# Altium PCB POETIC_Processor_V2.PcbDoc (part 3 of 4)
Units mm, origin at the board's own origin, x right, y up, seen from the top; angles counter-clockwise.
Board outline 210 x 100 mm, 4 copper layers (Top Layer, VCC, GND, Bottom Layer), stack 1.64 mm thick; 405 components, 395 nets, 1590 pads, 394 vias.
Unrouted connection lines stored in the file: 21.
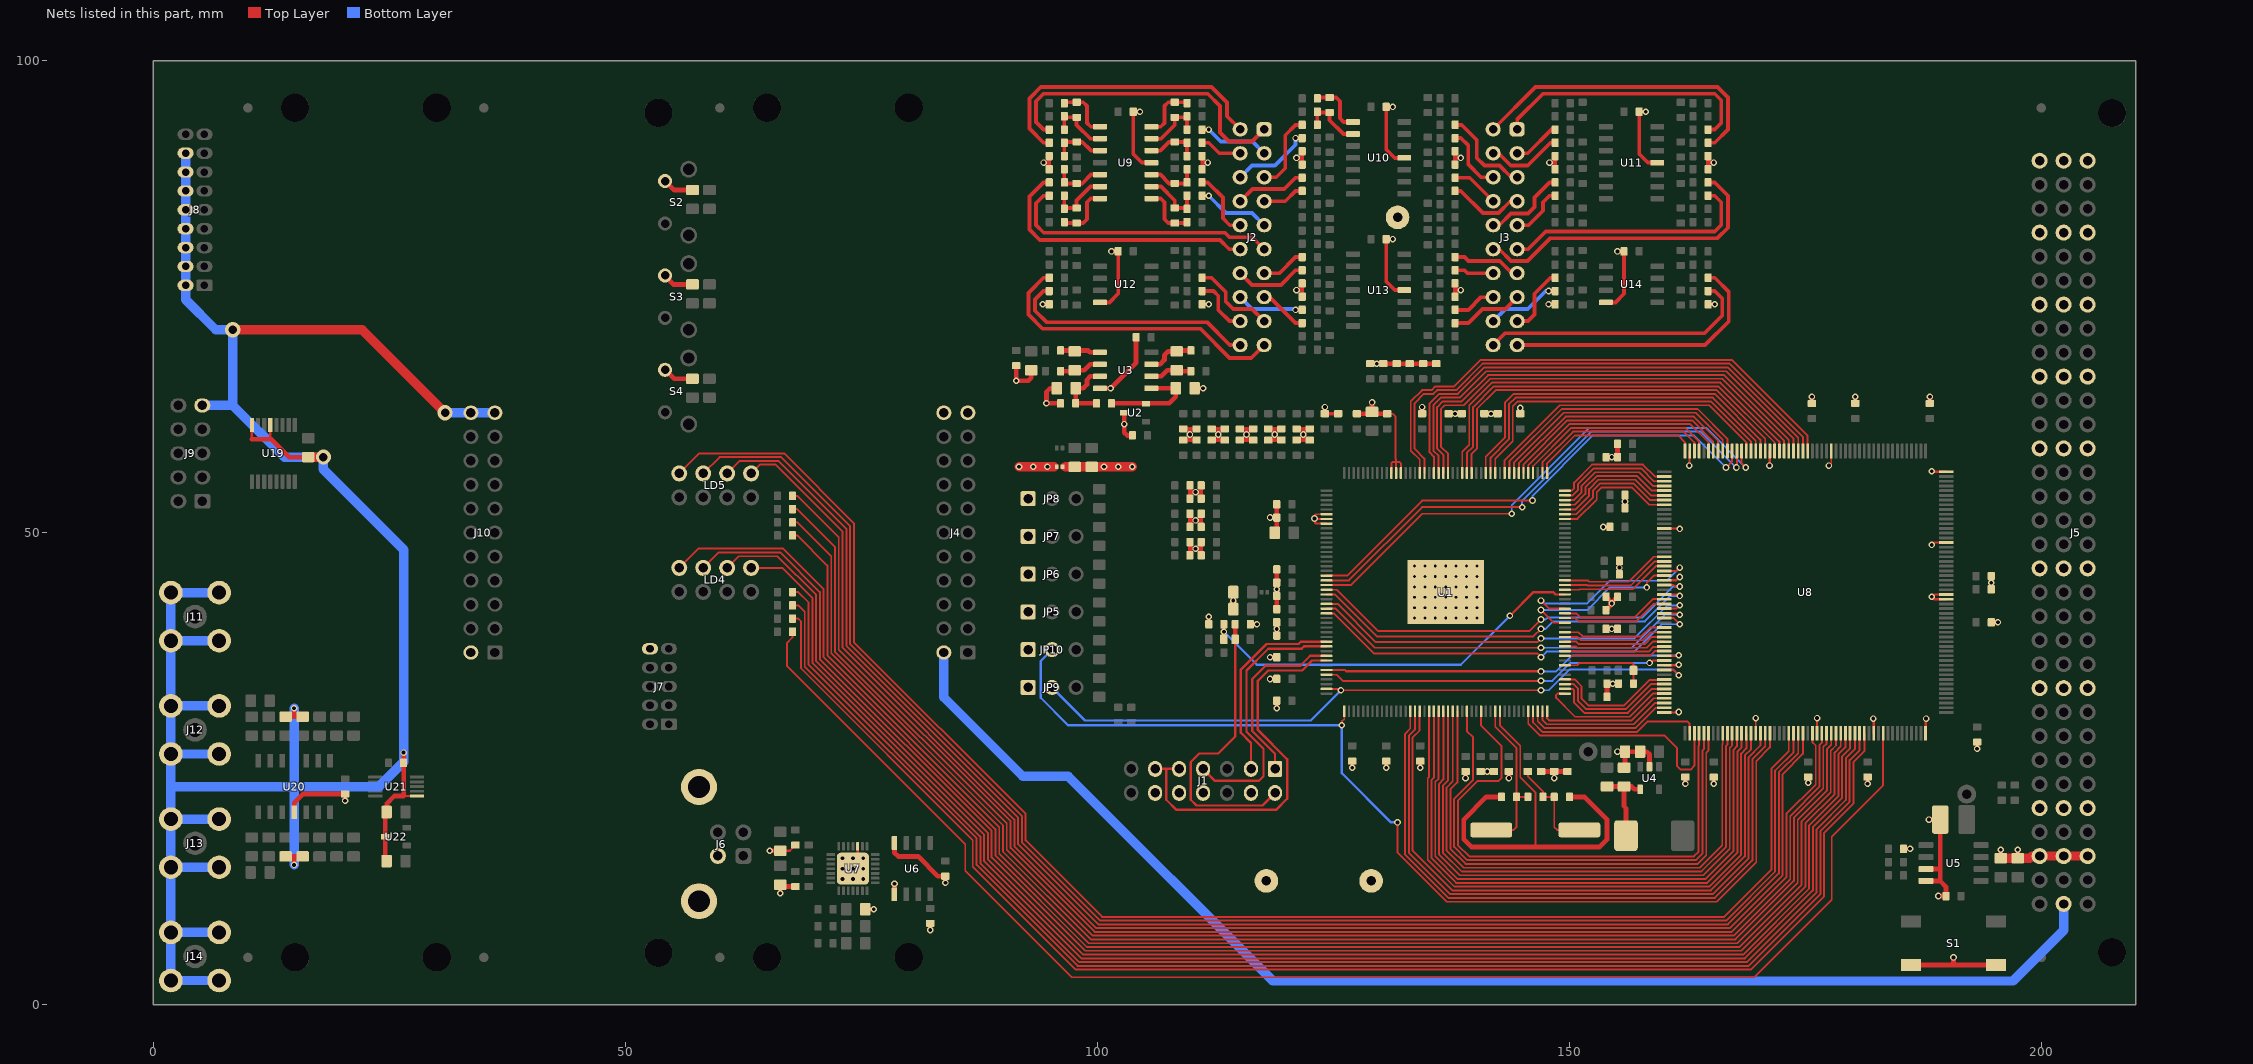
[diagram p5: the nets of this part, all layers, seen from the top]

## Via types
v1: diameter 0.7, hole 0.4, Top Layer to Bottom Layer, tented both sides, 343 vias
v2: diameter 0.7, hole 0.3, Top Layer to Bottom Layer, tented both sides, 42 vias
v3: diameter 1.6, hole 0.9, Top Layer to Bottom Layer, tented both sides, 9 vias

## Nets (pads, with @x,y where several pads share a name; then routed paths per layer and width w, separated by ;. In a path a pad name is that pad's centre, name@x,y a point inside that pad or via, vN(x,y) a via of type N, cw(c..) or ccw(c..) an arc to the next point about the centre after c; other vN are vias at no path point) (continued)
DSP_PWM5A: U1.18 U8.189 | length 43.5
  Top Layer w0.2: U1.18@139.15,56.325 139.15,58.45 139.8,59.1 139.8,63.3 142,65.5 165.8,65.5 171.75,59.55 U8.189@171.75,58.65
DSP_PWM5B: U1.19 U8.188 | length 44.9
  Top Layer w0.2: U1.19@138.65,56.325 138.65,58.55 139.4,59.3 139.4,63.5 141.8,65.9 166,65.9 172.25,59.65 U8.188@172.25,58.65
DSP_PWM6A: U1.1 U8.208 | length 18.1
  Top Layer w0.2: U1.1@147.65,56.325 147.65,57.35 150.6,60.3 161.525,60.3 162.25,59.575 U8.208@162.25,58.65
DSP_PWM6B: U1.2 U8.206 | length 19.9
  Top Layer w0.2: U1.2@147.15,56.325 147.15,57.45 150.4,60.7 162.1,60.7 163.25,59.55 U8.206@163.25,58.65
DSP_PWM7A: U1.4 U8.205 | length 21.6
  Top Layer w0.2: U1.4@146.15,56.325 146.15,57.05 150.2,61.1 162.3,61.1 163.75,59.65 U8.205@163.75,58.65
DSP_PWM7B: U1.5 U8.203 | length 23.4
  Top Layer w0.2: U1.5@145.65,56.325 145.65,57.15 150,61.5 162.8,61.5 164.75,59.55 U8.203@164.75,58.65
DSP_PWM8A: U1.6 U8.202 | length 24.9
  Top Layer w0.2: U1.6@145.15,56.325 145.15,57.25 149.8,61.9 163,61.9 165.25,59.65 U8.202@165.25,58.65
DSP_PWM8B: U1.7 U8.201 | length 26.3
  Top Layer w0.2: U1.7@144.65,56.325 144.65,57.35 149.6,62.3 163.2,62.3 165.75,59.75 U8.201@165.75,58.65
DSP_PWM9A: U1.8 U8.200 | length 27.8
  Top Layer w0.2: U1.8@144.15,56.325 144.15,57.45 149.4,62.7 163.4,62.7 166.25,59.85 U8.200@166.25,58.65
DSP_PWM9B: U1.9 U8.199 | length 29.2
  Top Layer w0.2: U1.9@143.65,56.325 143.65,57.55 149.2,63.1 163.6,63.1 166.75,59.95 U8.199@166.75,58.65
DSP_PWM10A: U1.10 U8.195 | length 31.9
  Top Layer w0.2: U1.10@143.15,56.325 143.15,57.65 149,63.5 164.82,63.5 168.75,59.57 U8.195@168.75,58.65
DSP_PWM10B: U1.12 U8.194 | length 36.1
  Top Layer w0.2: U1.12@142.15,56.325 142.15,57.85 144,59.7 144,63.39 144.51,63.9 165,63.9 169.25,59.65 U8.194@169.25,58.65
DSP_PWM11A: U1.13 U8.193 | length 37.5
  Top Layer w0.2: U1.13@141.65,56.325 141.65,57.95 143.6,59.9 143.6,63.6 144.3,64.3 165.2,64.3 169.75,59.75 U8.193@169.75,58.65
DSP_PWM11B: U1.14 U8.192 | length 39
  Top Layer w0.2: U1.14@141.15,56.325 141.15,58.05 143.2,60.1 143.2,63.8 144.1,64.7 165.4,64.7 170.25,59.85 U8.192@170.25,58.65
DSP_PWM12A: U1.22 U8.187 | length 48.6
  Top Layer w0.2: U1.22@137.15,56.325 137.15,58.35 136.4,59.1 136.4,63.1 136.8,63.5 138.8,63.5 141.6,66.3 166.2,66.3 172.75,59.75 U8.187@172.75,58.65
DSP_PWM12B: U1.23 U8.186 | length 49.9
  Top Layer w0.2: U1.23@136.65,56.325 136.65,58.25 136,58.9 136,63.3 136.6,63.9 138.6,63.9 141.4,66.7 166.4,66.7 173.25,59.85 U8.186@173.25,58.65
DSP_TCK: J1.9 J1.11 U1.81 | length 41.5
  Top Layer w0.25: J1.11@106.12,24.97 107.3,24.97 ; J1.9@108.66,24.97 107.3,24.97 ; U1.81@124.275,36.45 122.75,36.45 121.7,35.4 118.1,35.4 117,34.3 117,29.1 120.1,26 120.1,21.8 118.925,20.625 108.375,20.625 107.3,21.7 107.3,24.97
DSP_TDI: J1.3 U1.77 | length 21.3
  Top Layer w0.25: J1.3@116.28,24.97 116.28,27.72 115.2,28.8 115.2,35.5 117.9,38.2 121.3,38.2 121.55,38.45 U1.77@124.275,38.45
DSP_TDO: J1.7 U1.78 | length 28.6
  Top Layer w0.25: J1.7@111.2,24.97 112.47,23.7 117.1,23.7 117.6,24.2 117.6,27.1 115.8,28.9 115.8,35.4 118.1,37.7 121.636,37.7 121.886,37.95 U1.78@124.275,37.95
DSP_TMS: J1.1 U1.80 | length 19.4
  Top Layer w0.25: J1.1@118.82,24.97 118.82,26.58 116.4,29 116.4,34.5 117.8,35.9 121.5,35.9 122.55,36.95 U1.80@124.275,36.95
GND_+24V_BP: J4.2 J5.B32 J10.2 | length 140.8
  Bottom Layer w1: J4.2@83.73,37.3 83.73,32.57 92.1,24.2 96.9,24.2 118.6,2.5 197,2.5 202.36,7.86 J5.B32@202.36,10.66
GND_A: C19.1 C37.1 C39.1 C41.1 C44.1 C49.1 C50.2 C51.2 C53.1 C55.1 C59.1 C90.1 C91.1 C92.1 C93.1 C96.1 C97.1 C98.1 C99.1 C102.1 C103.1 C104.1 C105.1 C108.1 C109.1 C110.1 C111.1 C112.1 C113.1 C116.1 C117.1 C118.1 C119.1 C122.1 C123.1 C124.1 C125.1 C128.1 C129.1 C130.1 C131.1 C134.1 C135.1 C136.1 C137.1 C138.1 C139.1 C141.1 C142.1 C144.1 C145.1 C147.1 C148.1 C150.1 C151.1 C152.1 C166.1 NT6.2 R13.2 R16.2 R20.2 R21.2 R55.2 R56.2 R67.2 R68.2 R79.2 R80.2 R91.2 R92.2 R103.2 R104.2 R115.2 R116.2 R127.2 R128.2 R139.2 R140.2 R147.2 R153.2 R159.2 R165.2 TP2.1 U1.32 U1.33 U1.34 U1.50 U1.51 U1.52 U2.3 U3.4 U9.11 U10.11 U11.11 U12.4 U13.11 U14.4 | length 156
  Top Layer w0.2: U1.52@124.275,50.95 123.15,50.95 123.05,51.05 v1@123.05,51.45 ; U1.51@124.275,51.45 v1@123.05,51.45 ; U1.50@124.275,51.95 123.15,51.95 123,51.8 v1(123,51.5) v1@123.05,51.45 ; C19.1@130.7,62.6 131.3,62.6 131.6,62.3 131.6,57.8 131.65,57.75 131.65,57.5 ; U1.34@131.15,56.325 131.15,57.35 131.3,57.5 131.65,57.5 ; U1.33@131.65,56.325 131.65,57.5 ; U1.32@132.15,56.325 132.15,57.35 132,57.5 131.65,57.5
  Top Layer w0.4: v1(94.2,74.2) C124.1@94.9,74.2 ; v1(94.3,89.2) 94.9,89.2 ; C99.1@94.9,88.5 94.9,89.2 ; C92.1@94.9,89.9 94.9,89.2 ; U12.4@100.275,74.395 101.295,74.395 102.2,75.3 C139.1@102.2,79.8 v1(101.5,79.8) ; v1(104.5,94.6) C112.1@103.8,94.6 103.8,90.1 104.7,89.2 U9.11@105.725,89.2 ; R80.2@109.1,59.8 109.8,59.8 ; C109.1@109.1,61 109.8,61 ; C122.1@109.8,47.6 109.8,48.3 ; R115.2@109.8,49 109.8,48.3 ; C90.1@109.8,50.6 109.8,51.3 ; R55.2@109.8,52 109.8,51.3 ; C91.1@109.8,53.6 109.8,54.3 ; R56.2@109.8,55 109.8,54.3 ; C103.1@110.5,59.8 109.8,59.8 ; R92.2@110.5,61 109.8,61 ; R68.2@111,47.6 111,48.3 ; C97.1@111,49 111,48.3 ; R67.2@111,50.6 111,51.3 ; C96.1@111,52 111,51.3 ; R103.2@111,53.6 111,54.3 ; C116.1@111,55 111,54.3 ; C118.1@111.1,74.2 v1(111.8,74.2) v1@111.8,74.1 ; C93.1@111.1,88.5 111.1,89.2 ; C98.1@111.1,89.9 111.1,89.2 ; v1(111.7,89.2) 111.1,89.2 ; R79.2@112.1,59.8 112.8,59.8 ; C108.1@112.1,61 112.8,61 ; C102.1@113.5,59.8 112.8,59.8 ; R91.2@113.5,61 112.8,61 ; R116.2@115.1,59.8 115.8,59.8 ; C117.1@115.1,61 115.8,61 ; C123.1@116.5,59.8 115.8,59.8 ; R104.2@116.5,61 115.8,61 ; R153.2@118.1,59.8 118.8,59.8 ; C141.1@118.1,61 118.8,61 ; C144.1@119.5,59.8 118.8,59.8 ; R147.2@119.5,61 118.8,61 ; R128.2@121.1,59.8 121.8,59.8 ; C147.1@121.1,61 121.8,61 ; v1(121.1,75.7) 121.7,75.7 C111.1@121.7,75 C105.1@121.7,76.4 ; v1(121.1,89.7) 121.7,89.7 ; C110.1@121.7,89 121.7,89.7 ; C104.1@121.7,90.4 121.7,89.7 ; C129.1@122.5,59.8 121.8,59.8 ; R159.2@122.5,61 121.8,61 ; v1(124.1,63.3) R139.2@124.1,62.6 C134.1@125.5,62.6 ; v1(131.3,81.1) C138.1@130.6,81.1 130.6,76.6 131.5,75.7 U13.11@132.525,75.7 ; v1(131.3,95.1) C113.1@130.6,95.1 130.6,90.6 131.5,89.7 U10.11@132.523,89.7 ; C142.1@137.9,76.4 C145.1@137.9,75 137.9,75.7 v1(138.5,75.7) ; C125.1@137.9,89 137.9,89.7 ; C119.1@137.9,90.4 137.9,89.7 ; v1(138.5,89.7) 137.9,89.7 ; v1(147.8,74.2) C148.1@148.5,74.2 ; v1(147.9,89.2) 148.5,89.2 ; C131.1@148.5,88.5 148.5,89.2 ; C136.1@148.5,89.9 148.5,89.2 ; U14.4@153.875,74.395 154.895,74.395 155.8,75.3 C166.1@155.8,79.8 v1(155.1,79.8) ; v1(158.1,94.6) C152.1@157.4,94.6 157.4,90.1 158.3,89.2 U11.11@159.325,89.2 ; C151.1@164.7,74.2 v1(165.4,74.2) ; C137.1@164.7,88.5 164.7,89.2 ; C130.1@164.7,89.9 164.7,89.2 ; v1(165.3,89.2) 164.7,89.2 ; 109.8,48.3 v1(110.4,48.3) 111,48.3 ; 109.8,51.3 v1(110.4,51.3) 111,51.3 ; 109.8,54.3 v1(110.4,54.3) 111,54.3 ; 109.8,59.8 v1(109.8,60.4) 109.8,61 ; 112.8,59.8 v1(112.8,60.4) 112.8,61 ; 115.8,59.8 v1(115.8,60.4) 115.8,61 ; 118.8,59.8 v1(118.8,60.4) 118.8,61 ; 121.8,59.8 v1(121.8,60.4) 121.8,61
  Top Layer w0.5: R20.2@91.4,67.7 v1(91.4,66.1) 92.7,66.1 93,66.4 C53.1@93,67.2 ; C55.1@95.7,65.3 95,65.3 94.6,64.9 v1(94.6,63.7) R21.2@96.1,63.7 ; U3.4@100.275,65.295 v1@101.4,65.295 ; v1(101.4,65.3) 104.1,68 C59.1@104.1,70.7 ; U2.3@102.85,62.7 v1(102.85,61.5) 102.85,60.6 103.15,60.3 C39.1@103.7,60.3 ; C41.1@110.3,65.295 v1(111.2,65.295) ; v1(118.3,51.6) C37.1@119,51.6 ; C49.1@118.8,50 119,50.2 C37.1@119,51.6 ; R16.2@119,53 C37.1@119,51.6 ; R13.2@127.5,62.6 129.1,62.6 C19.1@130.7,62.6 ; R127.2@128.9,67.9 C128.1@130.3,67.9 R140.2@131.7,67.9 C135.1@133.1,67.9 R165.2@134.5,67.9 C150.1@135.9,67.9 ; C44.1@129.1,62.8 v1(129.1,63.8)
  Top Layer w1: 96.6,56.97 C50.2@99.4,56.97 v1(100.7,56.97) v1(102.2,56.97) v1(103.7,56.97)
  other v1: 129.6,67.9
GND_D: C3.1 C4.1 C5.1 C6.1 C7.1 C8.1 C9.1 C10.1 C11.1 C12.1 C13.1 C14.1 C15.1 C16.1 C17.1 C18.1 C20.1 C21.1 C22.1 C23.1 C24.1 C25.1 C26.1 C27.1 C28.1 C29.1 C30.1 C31.1 C32.1 C33.1 C34.1 C35.1 C36.1 C38.1 C42.2 C43.2 C47.2 C48.2 C56.1 C57.1 C58.1 C60.2 C61.2 C62.1 C63.1 C69.1 C70.1 C71.1 C72.1 C73.1 C74.1 C75.1 C76.1 C77.1 C78.1 C79.1 C80.1 C81.1 C82.1 C83.1 C84.1 C85.1 C86.1 C87.1 C153.1 C155.1 C157.1 C158.1 C159.1 C161.1 C162.1 C164.1 C165.1 J1.4 J1.8 J1.10 J1.12 J4.21 J4.22 J5.A1 J5.A4 J5.A7 J5.A10 J5.A13 J5.A18 J5.A23 J5.A28 J5.A30 J5.B1 J5.B4 J5.B7 J5.B10 J5.B13 J5.B18 J5.B23 J5.B28 J5.B30 J5.C1 J5.C4 J5.C7 J5.C10 J5.C13 J5.C18 J5.C23 J5.C28 J5.C30 J7.10 J8.2 J8.4 J8.6 J8.8 J8.10 J8.12 J8.14 J8.16 J9.9 J10.21 J10.22 J11.2 J12.2 J13.2 J14.2 JP5.1 JP6.1 JP7.1 JP8.1 JP9.1 JP10.1 NT6.1 R3.1 R4.1 R5.1 R6.1 S1.1 S1.2 S2.1 S3.1 S4.1 TP1.1 TP4.1 U1.0 U4.2 U5.3 U5.4 U6.4 U8.13 U8.24 U8.42 U8.52 U8.68 U8.81 U8.93 U8.104 U8.129 U8.130 U8.141 U8.156 U8.177 U8.190 U8.207 U19.5 U19.8 U20.11 U21.6 U22.3 | length 405.1
  Top Layer w0.2: U8.52@160.05,30.95 161.55,30.95 v1(161.6,31) ; U8.13@160.05,50.45 161.65,50.45 v1(161.7,50.4) ; v1(162.7,57.1) 162.75,57.15 U8.207@162.75,58.65 ; U8.68@169.75,28.75 v1(169.75,30.35) ; U8.81@176.25,28.75 v1(176.25,30.35) ; v1(177.5,57.1) 177.75,57.35 U8.177@177.75,58.65
  Top Layer w0.25: 10.425,59.9 U19.8@10.425,61.4 ; 12.375,59.9 U19.5@12.375,61.4 ; 26.5,22.1 U21.6@27.9,22.1 ; U8.42@160.05,35.95 161.55,35.95 v1(161.6,36) ; U8.24@160.05,44.95 161.325,44.95 161.675,45.3 v1(161.7,45.3) ; v1(171.2,57.1) 171.25,57.15 U8.190@171.25,58.65 ; v1(177.5,57.1) v1@177.7,57.1 ; v1(182.2,30.3) 182.25,30.35 U8.93@182.25,28.75 ; v1(188.4,48.7) 188.65,48.95 U8.141@189.95,48.95 ; v1(188.4,56.5) 188.45,56.45 U8.156@189.95,56.45 ; U8.129@189.95,42.95 188.65,42.95 v1(188.4,43.2) 188.65,43.45 U8.130@189.95,43.45
  Top Layer w0.256: U8.104@187.75,28.75 187.75,30.25 v1(187.8,30.3)
  Top Layer w0.5: 10.425,59.9 12.375,59.9 12.5,59.9 14.4,58 C153.1@16.4,58 ; C162.1@14,15.7 14.9,15.7 ; C157.1@14,30.5 14.9,30.5 ; U20.11@14.899,20.375 14.899,21.399 15.8,22.3 C165.1@20.299,22.3 v1(20.3,21.6) ; v1(14.9,14.8) 14.9,15.7 ; v1(14.9,31.4) 14.9,30.5 ; C164.1@15.8,15.7 14.9,15.7 ; C155.1@15.8,30.5 14.9,30.5 ; C158.1@24.7,15.2 24.55,15.35 U22.3@24.55,17.8 24.55,20.25 C159.1@24.7,20.4 24.7,21.3 25.5,22.1 26.5,22.1 C161.1@26.5,25.6 v1(26.5,26.7) ; S3.1@54.07,77.3 55.07,76.3 55.1,76.3 C70.1@57.1,76.3 ; S4.1@54.17,67.3 55.17,66.3 C71.1@57.1,66.3 ; S2.1@54.17,87.3 55.17,86.3 C69.1@57.1,86.3 ; U6.4@78.495,17.125 78.495,16.105 78.9,15.7 81,15.7 83.1,13.6 C63.1@83.9,13.6 v1(83.9,12.9) ; R6.1@111.8,40.3 v1(111.8,41.1) v1@111.8,41.2 ; C47.2@114.4,41.9 v1(114.4,42.8) C48.2@114.4,43.7 ; R3.1@116.2,40.3 v1(116.9,40.3) ; v1(118.3,34.5) C11.1@119,34.5 ; v1(118.3,36.8) R4.1@119,36.8 ; v1(119,31.4) C12.1@119,32.2 ; C36.1@119,39.1 C10.1@119,40.5 ; C13.1@119,41.9 C9.1@119,43.3 ; v1(119,44) C8.1@119,44.7 ; C17.1@119,46.1 C8.1@119,44.7 ; C8.1@119.2,44.9 C8.1@119,44.7 ; v1(127,25.1) C21.1@127,25.8 ; v1(130.6,25.1) C22.1@130.6,25.8 ; v1(134.2,25.1) C23.1@134.2,25.8 ; C7.1@134.4,62.6 v1(134.4,63.3) ; C18.1@137.2,62.6 C6.1@138.6,62.6 v1(137.9,62.6) ; v1(139,24) C24.1@139,24.7 ; C25.1@140.6,24.7 v1(141.3,24.7) C16.1@142,24.7 ; C14.1@141,62.6 C5.1@142.4,62.6 v1(141.7,62.6) ; v1(143.6,24) C20.1@143.6,24.7 ; C4.1@144.8,62.6 v1(144.8,63.2) ; C38.1@147,24.7 C26.1@149.8,24.7 ; v1(148.4,24) C15.1@148.4,24.7 ; v1(153.6,50.6) C72.1@154.3,50.6 ; C3.1@153.8,58 C3.1@153.9,58 C86.1@155.1,58 C83.1@155.1,59.4 ; C29.1@153.9,41.8 154.5,42.4 v1(154.5,42.5) v1@154.5,42.6 ; C34.1@153.9,43.2 v1@154.5,42.6 ; C32.1@154,32.6 C27.1@154,34 v1(154.6,34) ; v1(155.1,26.8) C58.1@155.9,26.8 ; C73.1@155.1,43.2 v1@154.5,42.6 ; C35.1@155.3,45.6 v1(155.3,46.3) C30.1@155.3,47 ; C57.1@155.8,25.1 155.9,25.2 C58.1@155.9,26.8 ; C31.1@155.9,52.6 v1(155.9,53.3) ; U4.2@158.5,25.2 158.5,26.5 158.2,26.8 C56.1@157.5,26.8 C58.1@155.9,26.8 ; v1(162.3,23.4) C87.1@162.3,24.1 ; v1(165.3,23.4) C74.1@165.3,24.1 ; C81.1@175.7,63.7 v1(175.7,64.4) ; C80.1@180.3,63.7 v1(180.3,64.4) ; v1(181.6,23.4) C76.1@181.6,24.1 ; C62.1@185.4,16.5 v1(186.1,16.5) ; S1.2@186.2,4.2 190.7,4.2 ; U5.4@187.779,13.095 189.3,13.095 ; U5.3@187.779,14.365 189.3,14.365 ; v1(188.1,19.6) C60.2@189.3,19.6 189.3,14.365 ; C79.1@188.2,63.7 v1(188.2,64.4) ; v1(189.1,11.5) C61.2@189.9,11.5 189.9,12.495 189.3,13.095 ; v1(190.7,5) 190.7,4.2 ; v1(193.2,27.1) C77.1@193.2,27.8 ; C78.1@194.7,40.5 v1(195.4,40.5) ; S1.1@195.2,4.2 190.7,4.2 ; C42.2@195.7,15.5 v1(195.7,16.4) ; C43.2@197.5,15.5 v1(197.5,16.4) ; 189.3,13.095 189.3,14.365
  Top Layer w1: v3(8.4,71.5) 22.1,71.5 v3(30.9,62.7) ; C153.1@16.4,58 v3(18,58) ; v1(91.7,56.97) v1(93.2,56.97) v1(94.7,56.97) 95.4,56.97 ; C42.2@195.7,15.5 C43.2@197.5,15.5 198.8,15.5 199.04,15.74 J5.C30@199.82,15.74 J5.B30@202.36,15.74 J5.A30@204.9,15.74
  Bottom Layer w0.5: v1(20.3,21.6) 20.3,23.1
  Bottom Layer w1: J8.16@3.4,90.2 J8.14@3.4,88.2 J8.12@3.4,86.2 J8.10@3.4,84.2 J8.8@3.4,82.2 J8.6@3.4,80.2 J8.4@3.4,78.2 J8.2@3.4,76.2 3.4,74.7 6.6,71.5 v3(8.4,71.5) 8.4,63.48 ; J9.9@5.2,63.48 8.4,63.48 ; J14.2@6.95,2.55 J14.2@1.85,2.55 J14.2@1.85,7.65 ; J14.2@6.95,7.65 J14.2@1.85,7.65 ; J13.2@6.95,14.55 J13.2@1.85,14.55 ; J13.2@6.95,19.65 J13.2@1.85,19.65 ; J12.2@6.95,26.55 J12.2@1.85,26.55 ; J12.2@6.95,31.65 J12.2@1.85,31.65 ; J11.2@6.95,38.55 J11.2@1.85,38.55 ; J11.2@6.95,43.65 J11.2@1.85,43.65 J11.2@1.85,38.55 ; v1(14.9,14.8) 14.9,23.1 ; v1(14.9,31.4) 14.9,23.1 ; v3(30.9,62.7) J10.22@33.63,62.7 J10.21@36.17,62.7 ; J14.2@1.85,7.65 J13.2@1.85,14.55 ; J13.2@1.85,14.55 J13.2@1.85,19.65 ; J13.2@1.85,19.65 1.85,23.1 ; 1.85,23.1 J12.2@1.85,26.55 ; 1.85,23.1 14.9,23.1 ; J12.2@1.85,26.55 J12.2@1.85,31.65 ; J12.2@1.85,31.65 J11.2@1.85,38.55 ; 8.4,63.48 13.88,58 v3(18,58) 18,56.7 26.5,48.2 v1(26.5,26.7) 26.5,25.7 23.9,23.1 20.3,23.1 14.9,23.1
  other v1: 175.3,23.5 119,39.8 154.5,39.8 194.7,44.7 154.5,58
  other v2: 133.6,40.95 134.7,40.95 135.8,40.95 136.9,40.95 138,40.95 139.1,40.95 140.2,40.95 133.6,42.05 134.7,42.05 135.8,42.05 136.9,42.05 138,42.05 139.1,42.05 140.2,42.05 133.6,43.15 134.7,43.15 135.8,43.15 136.9,43.15 138,43.15 139.1,43.15 140.2,43.15 133.6,44.25 134.7,44.25 135.8,44.25 136.9,44.25 138,44.25 139.1,44.25 140.2,44.25 133.6,45.35 134.7,45.35 135.8,45.35 136.9,45.35 138,45.35 139.1,45.35 140.2,45.35 133.6,46.45 134.7,46.45 135.8,46.45 136.9,46.45 138,46.45 139.1,46.45 140.2,46.45
GND_OSC: C1.1 C2.1 U1.122 | length 46
  Top Layer w0.2: U1.122@142.65,31.075 142.65,29.586 144.8,27.436 144.8,24.1 146.4,22.5 146.4,16.7
  Top Layer w0.5: C2.1@142.8,22 141.2,22 138.8,19.6 138.8,17.5 139.6,16.7 146.4,16.7 153.2,16.7 154,17.5 154,19.6 151.6,22 C1.1@150,22
GND_USB: C64.1 C65.1 C66.1 C67.1 C68.1 J6.4 J6.5 J6.6 LD3.1 U6.5 U7.0 U7.3 | length 10.7
  Top Layer w0.25: C67.1@66.4,16.3 67.4,16.3 C68.1@68,16.9 ; v1(74.1,14.4) 74.6,14.9 U7.3@74.6,16.75
  Top Layer w0.5: v1(65.3,16.3) C67.1@66.4,16.3 ; v1(66.4,11.8) C65.1@66.4,12.5 ; C65.1@66.4,12.7 C65.1@66.4,12.5 ; C66.1@68,12.5 C65.1@66.4,12.5 ; LD3.1@75.4,10.1 v1(76.3,10.1) ; U6.5@78.495,11.675 78.5,11.68 v1(78.5,12.8) ; v1(82.3,7.9) C64.1@82.3,8.6
  other v1: 73,13.3 74.1,13.3 75.2,13.3 73,14.4 75.2,14.4 73,15.5 74.1,15.5 75.2,15.5
GPIO24: U1.24 U8.185 | length 51.3
  Top Layer w0.2: U1.24@136.15,56.325 136.15,58.15 135.6,58.7 135.6,63.5 136.4,64.3 138.4,64.3 141.2,67.1 166.6,67.1 173.75,59.95 U8.185@173.75,58.65
GPIO25: U1.25 U8.184 | length 52.7
  Top Layer w0.2: U1.25@135.65,56.325 135.65,58.05 135.2,58.5 135.2,63.7 136.2,64.7 138.2,64.7 141,67.5 166.8,67.5 174.25,60.05 U8.184@174.25,58.65
GPIO26: U1.27 U8.183 | length 55.4
  Top Layer w0.2: U1.27@134.65,56.325 134.65,57.85 133.6,58.9 133.6,63.7 134.6,64.7 135.6,64.7 136,65.1 138,65.1 140.8,67.9 167,67.9 174.75,60.15 U8.183@174.75,58.65
GPIO27: U1.28 U8.182 | length 56.8
  Top Layer w0.2: U1.28@134.15,56.325 134.15,57.75 133.2,58.7 133.2,63.9 134.4,65.1 135.4,65.1 135.8,65.5 137.8,65.5 140.6,68.3 167.2,68.3 175.25,60.25 U8.182@175.25,58.65
GPIO28: U1.64 U8.197 | length 53.8
  Top Layer w0.2: U1.64@124.275,44.95 126.65,44.95 134.4,52.7 v1(145,52.7) ; v1@167.75,56.8 U8.197@167.75,58.65
  Bottom Layer w0.2: v1(145,52.7) 145,53.4 152.3,60.7 163.9,60.7 v1(167.7,56.9)
GPIO29: U1.65 U8.196 | length 55.5
  Top Layer w0.2: U1.65@124.275,44.45 126.85,44.45 134.4,52 v1(143.9,52) ; U8.196@168.25,58.65 168.25,57.35 v1(168.7,56.9)
  Bottom Layer w0.2: v1(143.9,52) 143.9,52.9 152.1,61.1 164.5,61.1 v1(168.7,56.9)
GPIO30: U1.63 U8.198 | length 52.2
  Top Layer w0.2: U1.63@124.275,45.45 126.45,45.45 134.4,53.4 v1(146.1,53.4) ; v1(166.6,56.9) 167.25,57.55 U8.198@167.25,58.65
  Bottom Layer w0.2: v1(146.1,53.4) 146.1,53.9 152.5,60.3 163.2,60.3 v1(166.6,56.9)
GPIO31: U1.66 U8.25 | length 42.9
  Top Layer w0.2: U1.66@124.275,43.95 125.35,43.95 129.7,39.6 145.8,39.6 v1(147,40.8) ; U8.25@160.05,44.45 161.05,44.45 161.2,44.3 v1(161.7,44.3)
  Bottom Layer w0.2: v1(147,40.8) 147.5,40.8 147.7,41 157.7,41 161,44.3 v1(161.7,44.3)
GPIO32: U1.67 U8.27 | length 42.9
  Top Layer w0.2: U1.67@124.275,43.45 125.15,43.45 129.6,39 146.2,39 v1(147,39.8) v1@147.1,39.8 ; U8.27@160.05,43.45 161.55,43.45 v1(161.7,43.3)
  Bottom Layer w0.2: v1(147,39.8) 147.5,39.8 148.3,40.6 158,40.6 160.7,43.3 v1(161.7,43.3)
GPIO33: U1.69 U8.30 | length 42.6
  Top Layer w0.2: U1.69@124.275,42.45 125.45,42.45 129.5,38.4 146.6,38.4 v1(147,38.8) ; U8.30@160.05,41.95 161.35,41.95 v1(161.7,42.3) v1@161.8,42.3